# KiCad board FD-checkver.kicad_pcb (continued)
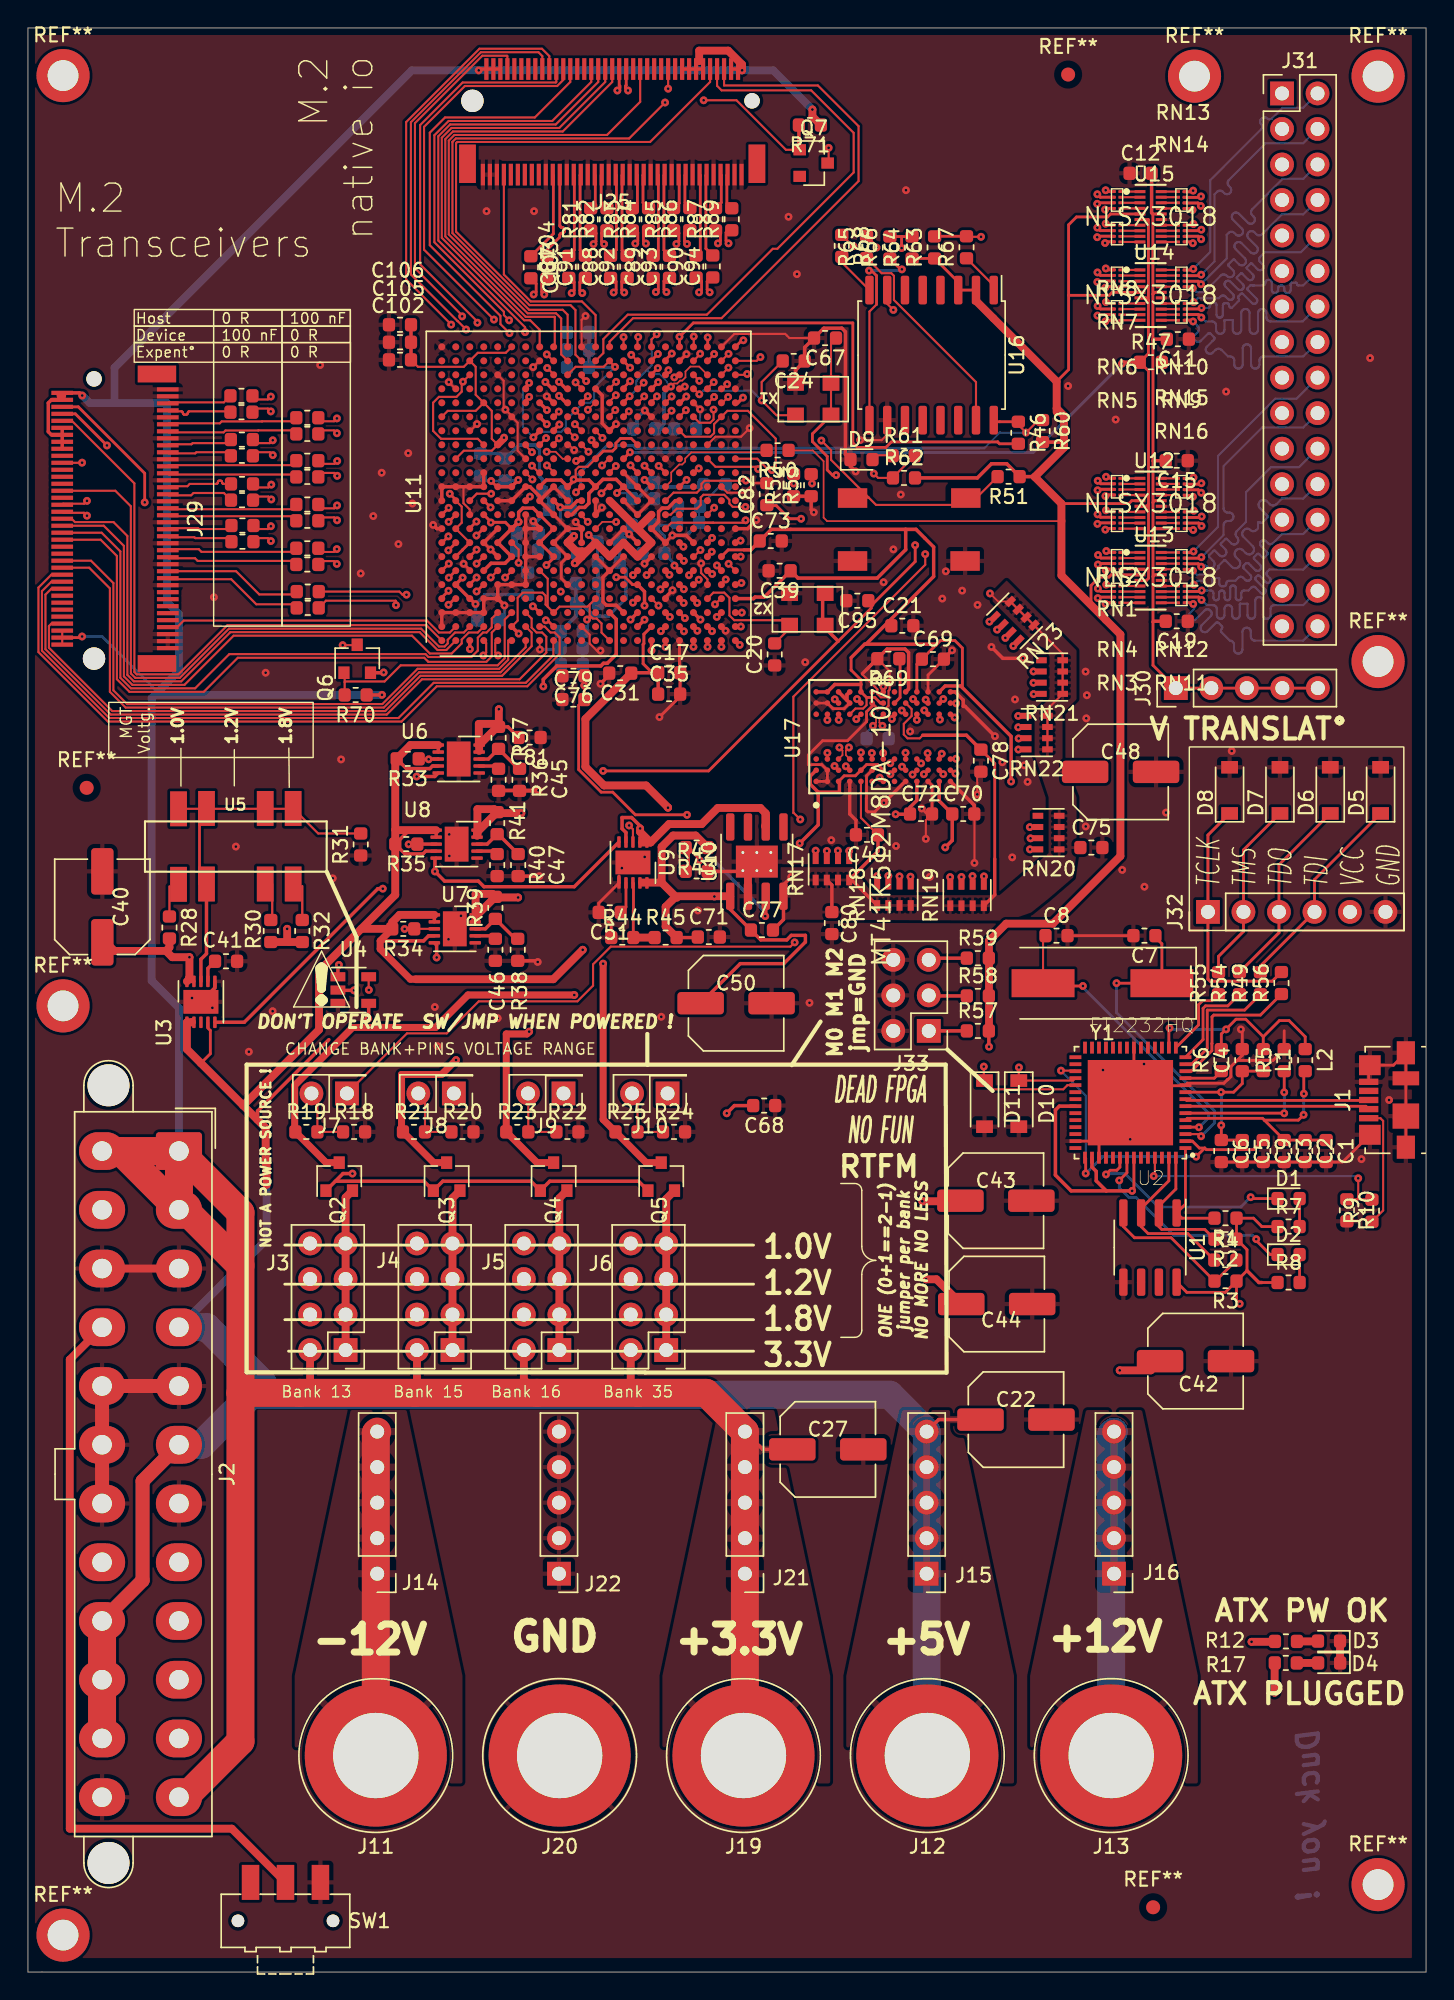
[diagram p0: board, top side]
## Routing (per net, layer and track width the routed paths; a pad name or vN(x,y) marks a point on that pad's centre or on a via; arc(x,y) is an arc through that point) (continued)
VTRANS_4_4: length 18.4
  Top w0.21: v1(83.32,100.19) 83.23,100.29 82.71,100.29
  B.Cu_GND_DDR w0.15: J31.24 91.21,105.35 89.7,105.35 89.31,104.96 89.24,104.91 89.17,104.88 89.1,104.86 89.02,104.86 88.94,104.88 88.87,104.91 88.81,104.96 88.62,105.15 88.56,105.2 88.49,105.24 88.41,105.26 88.33,105.26 88.26,105.24 88.19,105.2 88.12,105.15 88.08,105.09 88.04,105.02 88.02,104.95 88.02,104.87 88.04,104.79 88.08,104.72 88.12,104.66 88.56,104.22 88.55,104.21 88.63,104.13 88.65,104.11 88.66,104.09 88.66,104.07 88.66,104.04 88.66,104.02 88.65,103.99 88.63,103.98 88.29,103.64 88.27,103.62 88.25,103.61 88.23,103.61 88.2,103.61 88.18,103.61 88.16,103.62 88.12,103.65 88.09,103.66 88.07,103.67 88.05,103.67 88.02,103.66 88,103.65 87.98,103.64 87.98,103.22 87.87,103.11 87.82,103.07 87.75,103.04 87.69,103.02 87.62,103.02 87.55,103.04 87.48,103.07 87.38,103.15 87.31,103.18 87.25,103.2 87.18,103.2 87.11,103.18 87.05,103.15 86.99,103.11 86.94,103.05 86.89,103 86.86,102.94 86.85,102.87 86.85,102.8 86.86,102.73 86.89,102.67 86.94,102.61 87.59,101.96 87.64,101.89 87.68,101.82 87.69,101.75 87.69,101.67 87.68,101.59 87.64,101.52 87.59,101.46 87.53,101.41 87.46,101.38 87.39,101.36 87.31,101.36 87.23,101.38 87.16,101.41 87.1,101.46 86.91,101.65 86.85,101.7 86.78,101.74 86.7,101.75 86.62,101.75 86.54,101.74 86.47,101.7 86.41,101.65 86.36,101.59 86.33,101.52 86.31,101.44 86.31,101.37 86.33,101.29 86.36,101.22 86.41,101.16 86.6,100.97 86.65,100.9 86.69,100.83 86.7,100.76 86.7,100.68 86.69,100.6 86.65,100.53 86.6,100.47 86.54,100.42 86.47,100.39 86.4,100.37 86.32,100.37 86.24,100.39 86.17,100.42 86.11,100.47 85.63,100.95 85.63,100.95 85.62,100.96 85.61,100.96 85.59,100.96 85.58,100.96 85.57,100.95 85.56,100.95 85.14,100.52 85.13,100.51 85.13,100.5 85.13,100.49 85.13,100.48 85.13,100.47 85.13,100.46 85.15,100.44 85.15,100.43 85.15,100.42 85.15,100.41 85.15,100.4 85.15,100.39 85.14,100.38 84.67,99.91 83.6,99.91 v1(83.32,100.19)
  B.Cu_GND_DDR w0.21: v1(83.32,100.19) 83.35,100.22
VTRANS_4_5: length 17.6
  Top w0.21: 82.73,99.11 83.3,99.11 v1(83.39,99.2)
  B.Cu_GND_DDR w0.15: v1(83.39,99.2) 83.67,99.48 84.01,99.48 84.06,99.47 84.1,99.46 84.14,99.43 84.17,99.4 84.19,99.36 84.21,99.32 84.22,99.23 84.23,99.19 84.26,99.15 84.29,99.12 84.33,99.1 84.37,99.08 84.41,99.08 84.51,99.08 84.56,99.08 84.6,99.1 84.64,99.12 84.67,99.15 84.69,99.19 84.71,99.23 84.71,99.28 84.71,99.48 84.71,99.58 84.72,99.6 84.72,99.62 84.74,99.64 84.75,99.65 84.77,99.67 84.79,99.67 84.81,99.68 85.11,99.68 85.14,99.67 85.16,99.67 85.18,99.65 85.19,99.64 85.2,99.62 85.21,99.6 85.21,99.58 85.21,99.28 85.22,99.23 85.23,99.19 85.26,99.15 85.29,99.12 85.33,99.1 85.37,99.08 85.41,99.08 85.51,99.08 85.56,99.08 85.6,99.1 85.64,99.12 85.67,99.15 85.69,99.19 85.71,99.23 85.72,99.32 85.73,99.36 85.76,99.4 85.79,99.43 85.83,99.46 85.87,99.47 85.91,99.48 86.36,99.48 86.57,99.69 86.62,99.72 86.67,99.75 86.72,99.76 86.78,99.76 86.83,99.75 86.88,99.72 86.92,99.69 87.07,99.55 87.11,99.51 87.16,99.49 87.21,99.48 87.27,99.48 87.33,99.49 87.38,99.51 87.42,99.55 87.45,99.59 87.48,99.64 87.49,99.7 87.49,99.75 87.48,99.81 87.45,99.86 87.42,99.9 86.98,100.34 86.95,100.37 86.94,100.41 86.93,100.45 86.93,100.49 86.94,100.52 86.95,100.56 86.98,100.59 87.08,100.7 87.12,100.72 87.15,100.74 87.19,100.75 87.23,100.75 87.27,100.74 87.3,100.72 87.33,100.7 87.77,100.25 87.82,100.22 87.87,100.2 87.92,100.18 87.98,100.18 88.03,100.2 88.08,100.22 88.13,100.25 88.16,100.3 88.19,100.35 88.2,100.4 88.2,100.46 88.19,100.51 88.16,100.56 88.13,100.61 87.72,101.01 87.7,101.04 87.69,101.06 87.68,101.09 87.68,101.12 87.69,101.14 87.7,101.17 87.72,101.19 87.9,101.37 87.92,101.39 87.94,101.4 87.97,101.4 88,101.4 88.03,101.4 88.05,101.39 88.07,101.37 88.27,101.17 88.29,101.15 88.32,101.14 88.36,101.13 88.39,101.13 88.42,101.14 88.45,101.15 88.48,101.17 88.62,101.32 88.64,101.34 88.66,101.37 88.66,101.4 88.66,101.44 88.66,101.47 88.64,101.5 88.62,101.53 88.2,101.95 88.16,101.99 88.14,102.05 88.13,102.1 88.13,102.16 88.14,102.21 88.16,102.26 88.2,102.3 88.24,102.34 88.29,102.36 88.35,102.38 88.4,102.38 88.46,102.36 88.51,102.34 88.55,102.3 88.69,102.16 88.74,102.13 88.79,102.1 88.84,102.09 88.9,102.09 88.95,102.1 89,102.13 89.05,102.16 89.7,102.81 91.21,102.81 J31.26
VTRANS_4_6: length 17.6
  Top w0.21: v1(83.95,98.78) 83.88,98.71 82.73,98.71
  B.Cu_GND_DDR w0.15: v1(83.95,98.78) 84.59,98.78 84.64,98.78 84.68,98.76 84.72,98.74 84.75,98.71 84.77,98.67 84.79,98.63 84.79,98.58 84.79,98.28 84.8,98.23 84.81,98.19 84.83,98.15 84.87,98.12 84.9,98.1 84.95,98.08 84.99,98.08 85.04,98.08 85.08,98.1 85.12,98.12 85.15,98.15 85.17,98.19 85.19,98.23 85.19,98.28 85.19,98.58 85.2,98.63 85.21,98.67 85.23,98.71 85.27,98.74 85.3,98.76 85.35,98.78 85.39,98.78 85.44,98.78 85.48,98.76 85.52,98.74 85.55,98.71 85.57,98.67 85.59,98.63 85.59,98.58 85.59,98.28 85.6,98.23 85.61,98.19 85.63,98.15 85.67,98.12 85.7,98.1 85.75,98.08 85.79,98.08 85.84,98.08 85.88,98.1 85.92,98.12 85.95,98.15 85.97,98.19 85.99,98.23 85.99,98.28 85.99,98.96 86,99 86.01,99.03 86.03,99.07 86.06,99.09 86.09,99.12 86.13,99.13 86.17,99.13 86.22,99.13 86.25,99.13 86.29,99.12 86.33,99.09 86.35,99.07 86.37,99.03 86.39,99 86.39,98.96 86.39,98.28 86.4,98.23 86.41,98.19 86.43,98.15 86.47,98.12 86.5,98.1 86.55,98.08 86.59,98.08 86.64,98.08 86.68,98.1 86.72,98.12 86.75,98.15 86.77,98.19 86.79,98.23 86.79,98.28 86.79,98.58 86.8,98.63 86.81,98.67 86.83,98.71 86.87,98.74 86.9,98.76 86.95,98.78 86.99,98.78 87.3,98.78 87.51,98.99 87.55,99.02 87.59,99.04 87.63,99.05 87.68,99.05 87.72,99.04 87.76,99.02 87.8,98.99 88.19,98.6 88.22,98.58 88.26,98.56 88.31,98.55 88.35,98.55 88.39,98.56 88.43,98.58 88.47,98.6 88.5,98.64 88.52,98.68 88.53,98.72 88.53,98.77 88.52,98.81 88.5,98.85 88.47,98.89 87.83,99.52 87.81,99.55 87.8,99.58 87.79,99.61 87.79,99.65 87.8,99.68 87.81,99.71 87.83,99.74 87.9,99.81 87.93,99.83 87.96,99.84 87.99,99.85 88.02,99.85 88.06,99.84 88.09,99.83 88.11,99.81 88.54,99.38 88.58,99.35 88.62,99.33 88.66,99.32 88.7,99.32 88.75,99.33 88.79,99.35 88.82,99.38 88.85,99.42 88.87,99.46 88.88,99.5 88.88,99.54 88.87,99.59 88.85,99.63 88.82,99.66 88.64,99.84 88.62,99.88 88.6,99.92 88.59,99.96 88.59,100.01 88.6,100.05 88.62,100.09 88.64,100.12 88.79,100.27 91.21,100.27 J31.28
VTRANS_4_7: length 17.6
  Top w0.21: 82.73,98.31 83.73,98.31 v1(83.94,98.1)
  B.Cu_GND_DDR w0.15: J31.30 91.21,97.73 89.15,97.73 89.09,97.73 89.04,97.71 88.98,97.68 88.94,97.63 88.91,97.58 88.89,97.52 88.88,97.46 88.88,97.03 88.87,96.97 88.85,96.91 88.82,96.86 88.78,96.82 88.72,96.78 88.67,96.76 88.6,96.76 88.54,96.76 88.49,96.78 88.43,96.82 88.39,96.86 88.36,96.91 88.34,96.97 88.33,97.03 88.33,98.04 88.32,98.1 88.3,98.16 88.27,98.21 88.23,98.25 88.17,98.29 88.12,98.31 88.05,98.31 87.99,98.31 87.94,98.29 87.88,98.25 87.84,98.21 87.81,98.16 87.79,98.1 87.78,98.04 87.78,97.03 87.77,96.97 87.75,96.91 87.72,96.86 87.68,96.82 87.62,96.78 87.57,96.76 87.5,96.76 87.44,96.76 87.39,96.78 87.33,96.82 87.29,96.86 87.26,96.91 87.24,96.97 87.23,97.03 87.23,97.78 87.23,97.8 87.23,97.81 87.22,97.82 87.21,97.82 87.2,97.83 87.19,97.83 87.18,97.83 86.73,97.83 86.72,97.83 86.71,97.83 86.7,97.82 86.69,97.82 86.68,97.81 86.68,97.8 86.68,97.78 86.68,97.03 86.67,96.97 86.65,96.91 86.62,96.86 86.58,96.82 86.52,96.78 86.47,96.76 86.4,96.76 86.34,96.76 86.29,96.78 86.23,96.82 86.19,96.86 86.16,96.91 86.14,96.97 86.13,97.03 86.13,97.46 86.12,97.52 86.1,97.58 86.07,97.63 86.03,97.68 85.97,97.71 85.92,97.73 85.85,97.73 85.79,97.73 85.74,97.71 85.68,97.68 85.64,97.63 85.61,97.58 85.59,97.52 85.58,97.46 85.58,97.03 85.57,96.97 85.55,96.91 85.52,96.86 85.48,96.82 85.42,96.78 85.37,96.76 85.3,96.76 85.24,96.76 85.19,96.78 85.13,96.82 85.09,96.86 85.06,96.91 85.04,96.97 85.03,97.03 85.03,97.46 85.02,97.52 85,97.58 84.97,97.63 84.93,97.68 84.87,97.71 84.82,97.73 84.75,97.73 84.31,97.73 v1(83.94,98.1)
VTRANS_4_8: length 18.4
  Top w0.21: 82.73,97.91 83.25,97.91 v1(83.35,97.81)
  B.Cu_GND_DDR w0.15: v1(83.35,97.81) 83.39,97.76 83.42,97.7 83.43,97.64 83.43,97.57 83.42,97.5 83.39,97.44 83.35,97.39 83.11,97.16 83.07,97.11 83.04,97.04 83.03,96.98 83.03,96.91 83.04,96.85 83.07,96.79 83.11,96.73 83.17,96.69 83.23,96.66 83.29,96.65 83.36,96.65 83.43,96.66 83.49,96.69 83.54,96.73 84.17,97.36 84.22,97.4 84.27,97.43 84.33,97.44 84.39,97.44 84.44,97.43 84.5,97.4 84.54,97.36 84.59,97.31 84.63,97.27 84.66,97.21 84.67,97.16 84.67,97.1 84.66,97.04 84.63,96.99 84.59,96.94 83.96,96.31 83.92,96.26 83.89,96.2 83.88,96.13 83.88,96.06 83.89,96 83.92,95.94 83.96,95.88 84.02,95.84 84.08,95.81 84.14,95.8 84.21,95.8 84.27,95.81 84.34,95.84 84.39,95.88 84.95,96.45 84.98,96.47 85.01,96.48 85.05,96.49 85.08,96.49 85.12,96.48 85.15,96.47 85.18,96.45 85.37,96.25 85.4,96.23 85.41,96.19 85.42,96.16 85.42,96.12 85.41,96.08 85.4,96.05 85.35,95.99 85.33,95.96 85.33,95.92 85.33,95.89 85.33,95.85 85.35,95.82 85.37,95.79 85.97,95.19 86.03,95.19 86.1,95.17 86.15,95.13 86.2,95.08 86.24,95.03 86.26,94.96 86.27,94.89 86.27,94.57 86.27,94.5 86.3,94.44 86.33,94.38 86.38,94.33 86.44,94.3 86.5,94.27 86.57,94.27 86.63,94.27 86.7,94.3 86.75,94.33 86.8,94.38 86.84,94.44 86.86,94.5 86.87,94.57 86.87,95.82 86.87,95.89 86.9,95.95 86.93,96.01 86.98,96.06 87.04,96.09 87.1,96.12 87.17,96.12 87.23,96.12 87.3,96.09 87.35,96.06 87.4,96.01 87.44,95.95 87.46,95.89 87.47,95.82 87.47,95.49 87.47,95.43 87.5,95.36 87.53,95.31 87.58,95.26 87.64,95.22 87.7,95.2 87.77,95.19 91.21,95.19 J31.32
  B.Cu_GND_DDR w0.21: v1(83.35,97.81) 83.37,97.84
VTRANS_OE: length 68.6
  Top w0.2: 80.13,119.53 79.96,119.7 U14.6 ; 80.13,119.53 80.14,119.54 80.14,125.29 80.13,125.3 U15.6 ; 80.13,119.53 80.14,119.52 80.14,115.72 R47.1 80.15,114.47 80.15,104.95 ; 80.15,104.95 80,104.8 U12.6 ; 80.15,104.95 80.15,99.65 80,99.5 U13.6
  Top w0.21: U11.P14 v1(43.06,108.66)
  Top w0.244: R47.1 78.35,115.1 v1(78.25,115)
  B.Cu_GND_DDR w0.21: v1(78.25,115) 71.9,108.65 43.07,108.65 v1(43.06,108.66)
Net-(C1-Pad1): length 16.8
  Top w0.2: C1.1 C3.1 88.43,60.91 ; 88.43,60.91 90.87,60.91 91.26,61.3 ; 88.43,60.91 88.3,61.04 82.92,61.04 U2.5 ; 91.26,62.8 91.26,64.31
  B.Cu_GND_DDR w0.2: 91.26,61.3 91.26,62.8
  vias: v1(91.24,61.29) v1(91.26,62.8)
Net-(C4-Pad1): length 11.6
  Top w0.2: U2.9 86.24,62.91 86.86,63.53 C4.1 L1.2 ; C5.1 C6.1 85.36,60.55
  B.Cu_GND_DDR w0.2: 85.36,60.55 85.36,62.9 85.35,62.91
  vias: v1(85.34,62.91) v1(85.35,60.54)
Net-(C7-Pad1): length 22.1
  Top w0.15: v1(83.91,59.76) 83.76,59.91 U2.3
  Top w0.2: v1(77.86,70.7) 77.87,70.7 Y1.1 81.11,73.52 80.64,73.98
  B.Cu_GND_DDR w0.2: v1(83.91,59.76) 83.91,59.76 84.86,60.7 84.86,61.6 77.86,68.6 v1(77.86,70.7)
Net-(C8-Pad1): length 20.8
  Top w0.15: Y1.2 72.61,73.81
  Top w0.2: v1(83.76,60.4) 83.75,60.41 U2.4 ; v1(75.46,70.5) 72.81,70.5
  B.Cu_GND_DDR w0.2: v1(75.46,70.5) 75.46,70.4 84.46,61.4 84.46,61.1 v1(83.76,60.4)
Net-(C9-Pad1): length 25.4
  Top w0.15: v1(73.89,64.45) 74.88,64.45 U2.31
  Top w0.2: C9.1 87.67,58.8 84.29,58.8 84.17,58.91 ; 84.17,58.91 83.79,58.91 83.29,59.41 83.08,59.41 ; 84.17,58.91 v1(83.56,58.3) ; v1(75.66,57.1) 75.66,58.17 U2.43
  B.Cu_GND_DDR w0.15: v1(75.66,57.1) 75.66,62.68 v1(73.89,64.45)
  B.Cu_GND_DDR w0.2: v1(83.56,58.3) 76.86,58.3 v1(75.66,57.1)
Net-(C11-Pad2): length 53.1
  Top w0.2: U13.16 80.6,99.9 80.47,99.77 ; 80.47,99.77 80.47,105.07 ; 80.47,99.77 80.47,93.43 J30.1 J30.5 ; 80.47,105.07 80.47,114.58 80.46,114.59 80.46,119.96 ; 80.47,105.07 80.6,105.2 U12.16 ; 80.46,119.96 80.6,120.1 U14.16 ; 80.46,119.96 80.46,125.69 80.47,125.7 U15.16
  Top w0.244: 80.47,96.53 80.52,96.58 C19.2 ; C15.2 80.49,108.06 80.47,108.04 ; 80.46,116.7 80.51,116.75 C11.2 ; C12.2 80.37,125.78 80.46,125.69
Net-(C41-Pad1): length 1.6
  Top w0.244: C41.1 12.87,71.76 U3.7
Net-(C45-Pad1): length 1.2
  Top w0.244: 33.46,86.23 U6.7
Net-(C46-Pad1): length 1.2
  Top w0.244: 33.22,74.09 U7.7
Net-(C47-Pad1): length 1.2
  Top w0.244: 33.35,80.14 U8.7
Net-(C51-Pad1): length 2.3
  Top w0.2: U9.7 42.77,76.14 C51.1
Net-(D1-Pad1): length 15.5
  Top w0.2: v1(77.11,57.03) 77.4,57.33 77.88,57.33 78.11,57.55 U2.48 ; v1(87.46,55.4) 87.56,55.3 D1.1
  B.Cu_GND_DDR w0.2: v1(77.11,57.03) 77.16,57.08 78.46,57.08 80.84,54.7 86.76,54.7 v1(87.46,55.4)
Net-(D1-Pad2): length 2
  Top w0.2: R7.2 D1.2
Net-(D2-Pad1): length 15.7
  Top w0.2: D2.1 88.86,51.3 87.86,52.3 v1(87.86,52.4) ; v1(78.06,56.6) 78.61,57.15 U2.49
  B.Cu_GND_DDR w0.2: v1(78.06,56.6) 78.06,56.06 78.75,55.37 79.28,55.37 81.98,52.68 87.58,52.68 v1(87.86,52.4)
Net-(D2-Pad2): length 2
  Top w0.2: R8.2 D2.2
Net-(D3-Pad2): length 1.5
  Top w0.56: R12.1 92.25,23.64
Net-(D4-Pad2): length 1.5
  Top w0.56: R17.1 D4.2
Net-(D5-Pad1): length 82.3
  Top w0.12: v1(43.1,107.73) 43.1,107.7
  Top w0.2: D5.1 92.02,78.11 J32.4 ; 43.1,107.7 U11.R13
  Top w0.21: R49.2 88.16,71.94 J32.4
  In2.Cu_SigDDR w0.2: 90.75,79.7 90.69,79.75 ; 90.75,79.7 79.32,91.12 79.32,94.03 64.33,109.02 44.23,109.02 43.1,107.89 v1(43.1,107.73) ; 90.75,79.7 92.02,78.42 J32.4
Net-(D6-Pad1): length 80
  Top w0.2: v1(45.11,107.69) U11.U13 ; D6.1 89.48,79.17 J32.3
  Top w0.21: J32.3 89.48,74.31 R54.2
  In2.Cu_SigDDR w0.2: v1(45.11,107.69) 45.11,107.75 45.62,108.26 63.61,108.26 77.9,93.97 77.9,91.1 85.89,83.11 85.89,75.3 86.44,74.75 88.43,74.75 J32.3
Net-(D7-Pad1): length 76.7
  Top w0.2: R55.2 85.16,72.62 ; J32.2 86.94,80.23 D7.1 ; U11.T13 v1(44.1,107.7)
  Top w0.21: 85.16,72.62 86.94,74.4 J32.2
  In2.Cu_SigDDR w0.2: v1(44.1,107.7) 44.1,107.97 44.69,108.56 60.41,108.56 ; 60.41,108.56 60.39,108.58 ; 60.41,108.56 64.21,108.56 78.72,94.05 78.72,91.03 86.94,82.81 J32.2
Net-(D8-Pad1): length 75.9
  Top w0.2: U11.V12 47.09,106.69 v1(47.11,106.69)
  Top w0.21: R56.2 89,70.85 84.55,70.85 84.4,71 J32.1 84.4,81.29 D8.1
  In2.Cu_SigDDR w0.2: 84.02,76.18 77.4,82.8 77.4,93.78 63.41,107.77 55.05,107.77 54.13,106.85 51.83,106.85 51.83,106.87 51.58,107.12 51.12,107.12 50.69,106.69 v1(47.11,106.69)
Net-(D9-Pad2): length 1.5
  Top w0.15: 60.36,108.45 61.82,108.45
Net-(J2-Pad9): length 95.9
  Top w0.56: v1(89.17,19.97) 89.17,22.09 R17.2
  In4.Cu_SigDDR w0.56: v1(89.17,19.97) 89.17,18.16 80.37,9.36 33.24,9.36 30.54,12.06 30.54,17.9 23.34,25.1 J2.9
Net-(J2-Pad16): length 53.8
  Top w0.56: SW1.2 14.58,10.25 2.99,10.25 2.99,43.79 J2.16
Net-(J3-Pad1): length 11.6
  Top w0.56: Q2.2 22.72,55.38 J3.1
Net-(J4-Pad1): length 11.6
  Top w0.56: Q3.2 30.36,55.34 J4.1
Net-(J5-Pad1): length 11.6
  Top w0.56: Q4.2 38.01,55.33 J5.1
Net-(J6-Pad1): length 11.6
  Top w0.56: J6.1 J6.7 45.65,55.28 Q5.2
Net-(J7-Pad2): length 4.2
  Top w0.15: 20.7,62.39 R19.2 R18.1
Net-(J8-Pad2): length 4.2
  Top w0.15: 28.4,62.34 R21.2 R20.1
Net-(J9-Pad2): length 4.7
  Top w0.15: R22.1 R23.2 35.79,62.8
Net-(J10-Pad2): length 4.2
  Top w0.15: R24.1 R25.2 43.6,62.43
Net-(R1-Pad2): length 7.8
  Top w0.2: U2.1 82.79,54.91 82.16,54.28 82.54,53.9 R1.2
Net-(R2-Pad2): length 9.5
  Top w0.2: 82.11,57.94 82.11,55.99 80.89,54.77 80.89,53.3 81.09,53.1 84.17,53.1 R2.2
Net-(R3-Pad2): length 11.2
  Top w0.2: 78.35,54.28 78.35,53.3 79.15,52.5 81.77,52.5 R3.2 ; 84.93,49.4 R4.2
Net-(R4-Pad1): length 11.7
  Top w0.2: 81.61,57.92 81.61,56.58 79.62,54.59 79.62,53.3 80.12,52.8 82.96,52.8 R4.1
Net-(R5-Pad1): length 10.1
  Top w0.2: v1(89.86,62.9) R5.1 ; v1(89.86,61.4) 89.85,61.41 U2.6
  B.Cu_GND_DDR w0.2: v1(89.86,62.9) v1(89.86,61.4)
Net-(R6-Pad1): length 2.8
  Top w0.2: U2.11 84.85,63.91 R6.1
Net-(R10-Pad1): length 19.4
  Top w0.15: R9.2 96.1,55.25 95.06,55.25 ; v1(95.15,56.75) 95.15,55.34 95.06,55.25 ; 95.06,55.25 R10.1 ; U2.53 80.61,57 v1(80.52,56.91)
  B.Cu_GND_DDR w0.15: v1(80.52,56.91) 94.99,56.91 v1(95.15,56.75)
Net-(R28-Pad1): length 2.2
  Top w0.16: R28.1 10.12,77.62
Net-(R30-Pad1): length 2.5
  Top w0.16: 17.47,77.8 17.47,75.32
Net-(R31-Pad2): length 26.4
  Top w0.15: U5.1 18.94,83.17 U5.4 ; U5.1 19.05,83.28 ; U5.1 20.76,81.41 R31.2
  Top w0.2: 12.27,83.19 12.27,77.8
  Top w0.244: U3.8 12.37,72.41 12.77,72.81 U5.7
Net-(R32-Pad1): length 2.4
  Top w0.16: R32.1 19.62,77.64
Net-(R34-Pad1): length 9.2
  Top w0.15: R34.1 U7.3
  Top w0.244: v1(26.94,74.58) 26.95,74.59 R34.1 ; v1(23.32,70.19) 22.19,70.19
  In2.Cu_SigDDR w0.244: v1(26.94,74.58) 26.94,73.81 v1(23.32,70.19)
Net-(R35-Pad1): length 13.5
  Top w0.244: U8.3 R35.1 ; U4.1 22.17,71.94 v1(22.24,72.01) ; v1(27.23,80.63) 27.83,80.63
  In2.Cu_SigDDR w0.244: v1(27.23,80.63) 22.24,75.64 v1(22.24,72.01)
Net-(R36-Pad2): length 3.7
  Top w0.244: U6.8 32.94,86.73 R37.1 35.09,86.03
Net-(R38-Pad2): length 3.7
  Top w0.244: 34.85,73.88 R39.1 32.72,74.59 U7.8
Net-(R40-Pad2): length 3.7
  Top w0.244: U8.8 32.85,80.64 R41.1 ; 33.63,81.36 R40.2
Net-(R42-Pad1): length 18.7
  Top w0.15: v1(43,81.98) 43.27,81.71 U9.3
  Top w0.2: 47.25,78.69 47.25,80.39
  Top w0.25: v1(52.74,75.5) 52.77,75.53 U10.3 ; v1(48.03,79.5) 48.03,79.61 47.25,80.39
  In4.Cu_SigDDR w0.15: v1(43,81.98) 43.19,81.98 43.68,82.47 45.06,82.47 v1(48.03,79.5)
  B.Cu_GND_DDR w0.25: v1(52.74,75.5) 52.74,75.8 49.03,79.5 v1(48.03,79.5)
Net-(R44-Pad2): length 5.5
  Top w0.2: R44.2 43.3,75.88 43.31,75.9 43.31,77.83 U9.8
  Top w0.56: R45.1 R44.2
Net-(R46-Pad2): length 34.3
  Top w0.2: 69.36,109.4 69.37,109.41 ; 69.36,109.4 61.75,109.4 61.36,109.01 59.33,109.01 59,109.34 59,117.91 47.59,117.91 v1(46.6,116.92) U11.V22 ; 69.36,109.4 69.49,109.27 R46.2
Net-(R48-Pad2): length 2.6
  Top w0.15: v1(35.09,100.76) 35.09,101.7 U11.F8
  B.Cu_GND_DDR w0.15: v1(35.09,100.76) 35.09,100.71 R48.2
Net-(R50-Pad2): length 8.8
  Top w0.12: R50.2 52.69,108.66 47.45,108.66 47.01,108.22 47.01,108 46.8,107.79 46.58,107.79 46.01,107.22 46.01,106.61 U11.U12
Net-(R51-Pad2): length 35.8
  Top w0.15: v1(56.75,109.5) 57.45,108.8 57.45,108.11 60.15,105.41 ; R51.2 67.34,104.9 60.66,104.9 60.15,105.41 ; 60.15,105.41 59,105.41 SW2.1
  Top w0.2: 41.49,106.2 v1(41.02,105.73)
  In2.Cu_SigDDR w0.2: v1(41.02,105.73) 41.57,106.28 41.57,107.91 43.16,109.5 v1(56.75,109.5)
Net-(R52-Pad2): length 18.7
  Top w0.15: v1(54.77,106.43) 54.77,107.09 ; 39.6,104.13 v1(40.04,103.69)
  In4.Cu_SigDDR w0.15: v1(40.04,103.69) 40.86,103.69 43.64,106.47 43.64,106.91 43.97,107.23 45.41,107.23 46.15,107.97 50.94,107.97 52.48,106.43 v1(54.77,106.43)
Net-(R53-Pad2): length 17.4
  Top w0.12: v1(56.08,106.43) 56.08,107.03 ; U11.M9 41.08,103.68 v1(42.07,103.68)
  In2.Cu_SigDDR w0.12: v1(42.07,103.68) 43.59,105.2 54.09,105.2 54.56,105.67 55.32,105.67 v1(56.08,106.43)
Net-(R61-Pad2): length 30.5
  Top w0.15: v1(60.5,107.14) 60.81,106.83 R62.1 ; 35.61,105.2 v1(35.9,105.49) ; 61.87,106.87 R61.2
  In4.Cu_SigDDR w0.15: v1(35.9,105.49) 36.67,106.26 42.42,106.26 43.64,107.48 43.64,107.92 43.88,108.16 45.98,108.16 46.05,108.22 59.42,108.22 v1(60.5,107.14)
Net-(R65-Pad1): length 15.7
  Top w0.15: U16.15 67.81,113.68 61.94,119.55 61.94,121.28 61.75,121.47 61.07,121.47 R65.1
  Top w0.2: 60.46,122.55 R65.1
Net-(R66-Pad1): length 14.8
  Top w0.15: 60.7,119.23 60.19,118.73 U16.9
  Top w0.2: 60.7,119.23 60.7,121.29 60.33,121.65 v1(60.16,121.65) ; R66.1 62.42,121.74 v1(62.51,121.74)
  B.Cu_GND_DDR w0.2: v1(62.51,121.74) 62.42,121.65 v1(60.16,121.65)
Net-(R67-Pad1): length 3.1
  Top w0.15: U16.1 69.08,120.58 R67.1
Net-(R68-Pad2): length 3.2
  Top w0.15: U16.8 58.21,122.24 R68.2
Net-(R69-Pad1): length 3.3
  Top w0.2: 62.38,93.85 62.38,91.13 U17.H8
Net-(RN1-Pad1): length 1.4
  Top w0.15: U12.10 78.1,103.2
Net-(RN1-Pad2): length 1.4
  Top w0.15: 78.1,103.6 U12.9
Net-(RN1-Pad3): length 1.4
  Top w0.15: U12.8 78.1,104
Net-(RN1-Pad4): length 1.4
  Top w0.15: 78.1,104.4 U12.7
Net-(RN2-Pad1): length 1.4
  Top w0.15: U12.4 78.1,105.6
Net-(RN2-Pad2): length 1.4
  Top w0.15: 78.1,106 U12.3
Net-(RN2-Pad3): length 1.4
  Top w0.15: U12.2 78.1,106.4
Net-(RN2-Pad4): length 1.5
  Top w0.15: 78.1,106.8 79.59,106.8
Net-(RN3-Pad1): length 1.4
  Top w0.15: 78.1,97.9 U13.10
Net-(RN3-Pad2): length 1.4
  Top w0.15: U13.9 78.1,98.3
Net-(RN3-Pad3): length 1.4
  Top w0.15: 78.1,98.7 U13.8
Net-(RN3-Pad4): length 1.4
  Top w0.15: U13.7 78.1,99.1
Net-(RN4-Pad1): length 1.4
  Top w0.15: 78.1,100.3 U13.4
Net-(RN4-Pad2): length 1.4
  Top w0.15: 78.1,100.7 U13.3
Net-(RN4-Pad3): length 1.4
  Top w0.15: 78.1,101.1 U13.2
Net-(RN4-Pad4): length 1.5
  Top w0.15: 78.1,101.5 79.59,101.5
Net-(RN5-Pad1): length 1.4
  Top w0.15: 78.1,118.1 U14.10
Net-(RN5-Pad2): length 1.4
  Top w0.15: 78.1,118.5 U14.9
Net-(RN5-Pad3): length 1.4
  Top w0.15: 78.1,118.9 U14.8
Net-(RN5-Pad4): length 1.4
  Top w0.15: 78.1,119.3 U14.7
Net-(RN6-Pad1): length 1.4
  Top w0.15: 78.1,120.5 U14.4
Net-(RN6-Pad2): length 1.4
  Top w0.15: 78.1,120.9 U14.3
Net-(RN6-Pad3): length 1.4
  Top w0.15: 78.1,121.3 U14.2
Net-(RN6-Pad4): length 1.5
  Top w0.15: 79.59,121.7 78.1,121.7
Net-(RN7-Pad1): length 1.4
  Top w0.15: 78.1,123.7 U15.10
Net-(RN7-Pad2): length 1.4
  Top w0.15: U15.9 78.1,124.1
Net-(RN7-Pad3): length 1.4
  Top w0.15: 78.1,124.5 U15.8
Net-(RN7-Pad4): length 1.4
  Top w0.15: U15.7 78.1,124.9
Net-(RN8-Pad1): length 1.4
  Top w0.15: U15.4 78.1,126.1
Net-(RN8-Pad2): length 1.4
  Top w0.15: 78.1,126.5 U15.3
Net-(RN8-Pad3): length 1.4
  Top w0.15: U15.2 78.1,126.9
Net-(RN8-Pad4): length 1.5
  Top w0.15: 78.1,127.3 79.59,127.3
Net-(RN9-Pad5): length 1.2
  Top w0.15: 82.3,119.3 U14.14
Net-(RN9-Pad6): length 1.2
  Top w0.15: 82.3,118.9 U14.13
Net-(RN9-Pad7): length 1.2
  Top w0.15: 82.3,118.5 U14.12
Net-(RN9-Pad8): length 1.2
  Top w0.15: 82.3,118.1 U14.11
Net-(RN10-Pad5): length 1.2
  Top w0.15: 82.3,121.7 U14.20
Net-(RN10-Pad6): length 1.2
  Top w0.15: 82.3,121.3 U14.19
Net-(RN10-Pad7): length 1.2
  Top w0.15: 82.3,120.9 U14.18
Net-(RN10-Pad8): length 1.2
  Top w0.15: 82.3,120.5 U14.17
Net-(RN11-Pad5): length 1.2
  Top w0.15: 82.3,99.1 U13.14
Net-(RN11-Pad6): length 1.2
  Top w0.15: 82.3,98.7 U13.13
Net-(RN11-Pad7): length 1.2
  Top w0.15: 82.3,98.3 U13.12
Net-(RN11-Pad8): length 1.2
  Top w0.15: 82.3,97.9 U13.11
Net-(RN12-Pad5): length 1.2
  Top w0.15: 82.3,101.5 U13.20
Net-(RN12-Pad6): length 1.2
  Top w0.15: 82.3,101.1 U13.19
Net-(RN12-Pad7): length 1.2
  Top w0.15: 82.3,100.7 U13.18
Net-(RN12-Pad8): length 1.2
  Top w0.15: 82.3,100.3 U13.17
Net-(RN13-Pad1): length 1.2
  Top w0.15: U15.20 82.3,127.3
Net-(RN13-Pad2): length 1.2
  Top w0.15: 82.3,126.9 U15.19
Net-(RN13-Pad3): length 1.2
  Top w0.15: 82.3,126.5 U15.18
Net-(RN13-Pad4): length 1.2
  Top w0.15: 82.3,126.1 U15.17
Net-(RN14-Pad1): length 1.2
  Top w0.15: 82.3,124.9 U15.14
Net-(RN14-Pad2): length 1.2
  Top w0.15: 82.3,124.5 U15.13
Net-(RN14-Pad3): length 1.2
  Top w0.15: 82.3,124.1 U15.12
Net-(RN14-Pad4): length 1.2
  Top w0.15: 82.3,123.7 U15.11
Net-(RN15-Pad1): length 1.2
  Top w0.15: 82.3,106.8 U12.20
Net-(RN15-Pad2): length 1.2
  Top w0.15: 82.3,106.4 U12.19
Net-(RN15-Pad3): length 1
  Top w0.15: 82.3,106 81.33,106
Net-(RN15-Pad4): length 1.2
  Top w0.15: 82.3,105.6 U12.17
Net-(RN16-Pad1): length 1.2
  Top w0.15: 82.3,104.4 U12.14
Net-(RN16-Pad2): length 1.2
  Top w0.15: 82.3,104 U12.13
Net-(RN16-Pad3): length 1.2
  Top w0.15: 82.3,103.6 U12.12
Net-(RN16-Pad4): length 1.2
  Top w0.15: 82.3,103.2 U12.11
Net-(U1-Pad6): length 0
  Top w0.56: 79.6,49.3 U1.6

## Copper pours and planes (outline as drawn; the poured copper is in the pictures)
+3.3V on Top, B.Cu_GND_DDR, In1.CuGND_DDR, In2.Cu_SigDDR, In3.Cu_GND_DDR, In4.Cu_SigDDR: 57.38,21.18 57.38,13.48 45.38,13.48 45.38,21.18 49.38,40.18 53.38,40.18
+5V on Top, B.Cu_GND_DDR, In1.CuGND_DDR, In2.Cu_SigDDR, In3.Cu_GND_DDR, In4.Cu_SigDDR: 70.53,21.18 70.53,13.48 58.53,13.48 58.53,21.18 62.53,40.18 66.53,40.18
+12V on Top, B.Cu_GND_DDR, In1.CuGND_DDR, In2.Cu_SigDDR, In3.Cu_GND_DDR, In4.Cu_SigDDR: 83.68,21.18 83.68,13.48 71.68,13.48 71.68,21.18 75.68,40.18 79.68,40.18
-12V on Top, B.Cu_GND_DDR, In1.CuGND_DDR, In2.Cu_SigDDR, In3.Cu_GND_DDR, In4.Cu_SigDDR: 31.08,21.18 31.08,13.48 19.08,13.48 19.08,21.18 23.08,40.18 27.08,40.18
GND on Top, B.Cu_GND_DDR, In1.CuGND_DDR, In2.Cu_SigDDR, In3.Cu_GND_DDR, In4.Cu_SigDDR: 98.99,1 0.5,1 0.5,138.5 98.99,138.5
VCCDDR_1.35V_VREF on Top: 75,94.5 75,91 74,90 74,86.5 75,84 75,80 74.75,78.25 73,76.75 71.75,75.75 70.1,75.17 54,75.25 53.5,79 59,79 60.5,77 69.5,77 73,80 73,84 72,87 72,90 73,91 73,94.5 72,95 69,98 69,98.5 70,99.5

## Text on the board
B.Cu_GND_DDR: Duck you !
B.SilkS: I am a  little Duck / Do you feel warm and fuzzy inside ?
F.SilkS: NOT A POWER SOURCE ! | Host / Device / Expent° | 0 R / 100 nF / 0 R | 100 nF / 0 R / 0 R | Bank 13 | Bank 15 | CHANGE BANK+PINS VOLTAGE RANGE | Bank 16 | Bank 35 | MGT / Voltg. | 1.0V / 1.2V / 1.8V | ONE (0+1==2-1) / jumper per bank / NO MORE NO LESS | DEAD FPGA / NO FUN | DON'T OPERATE  SW/JMP WHEN POWERED ! | M0 M1 M2 / jmp=GND | TCLK / TMS / TDO / TDI / VCC / GND | RTFM | V TRANSLAT° | ATX PLUGGED | ATX PW OK | 1.0V / 1.2V / 1.8V / 3.3V | M.2 / Transceivers | M.2 / native io | -12V | GND | +3.3V | +5V | +12V | !
In3.Cu_GND_DDR: Encore une victoire de canard !
